# KiCad board RCUP_BASE_PCB_2.kicad_pcb
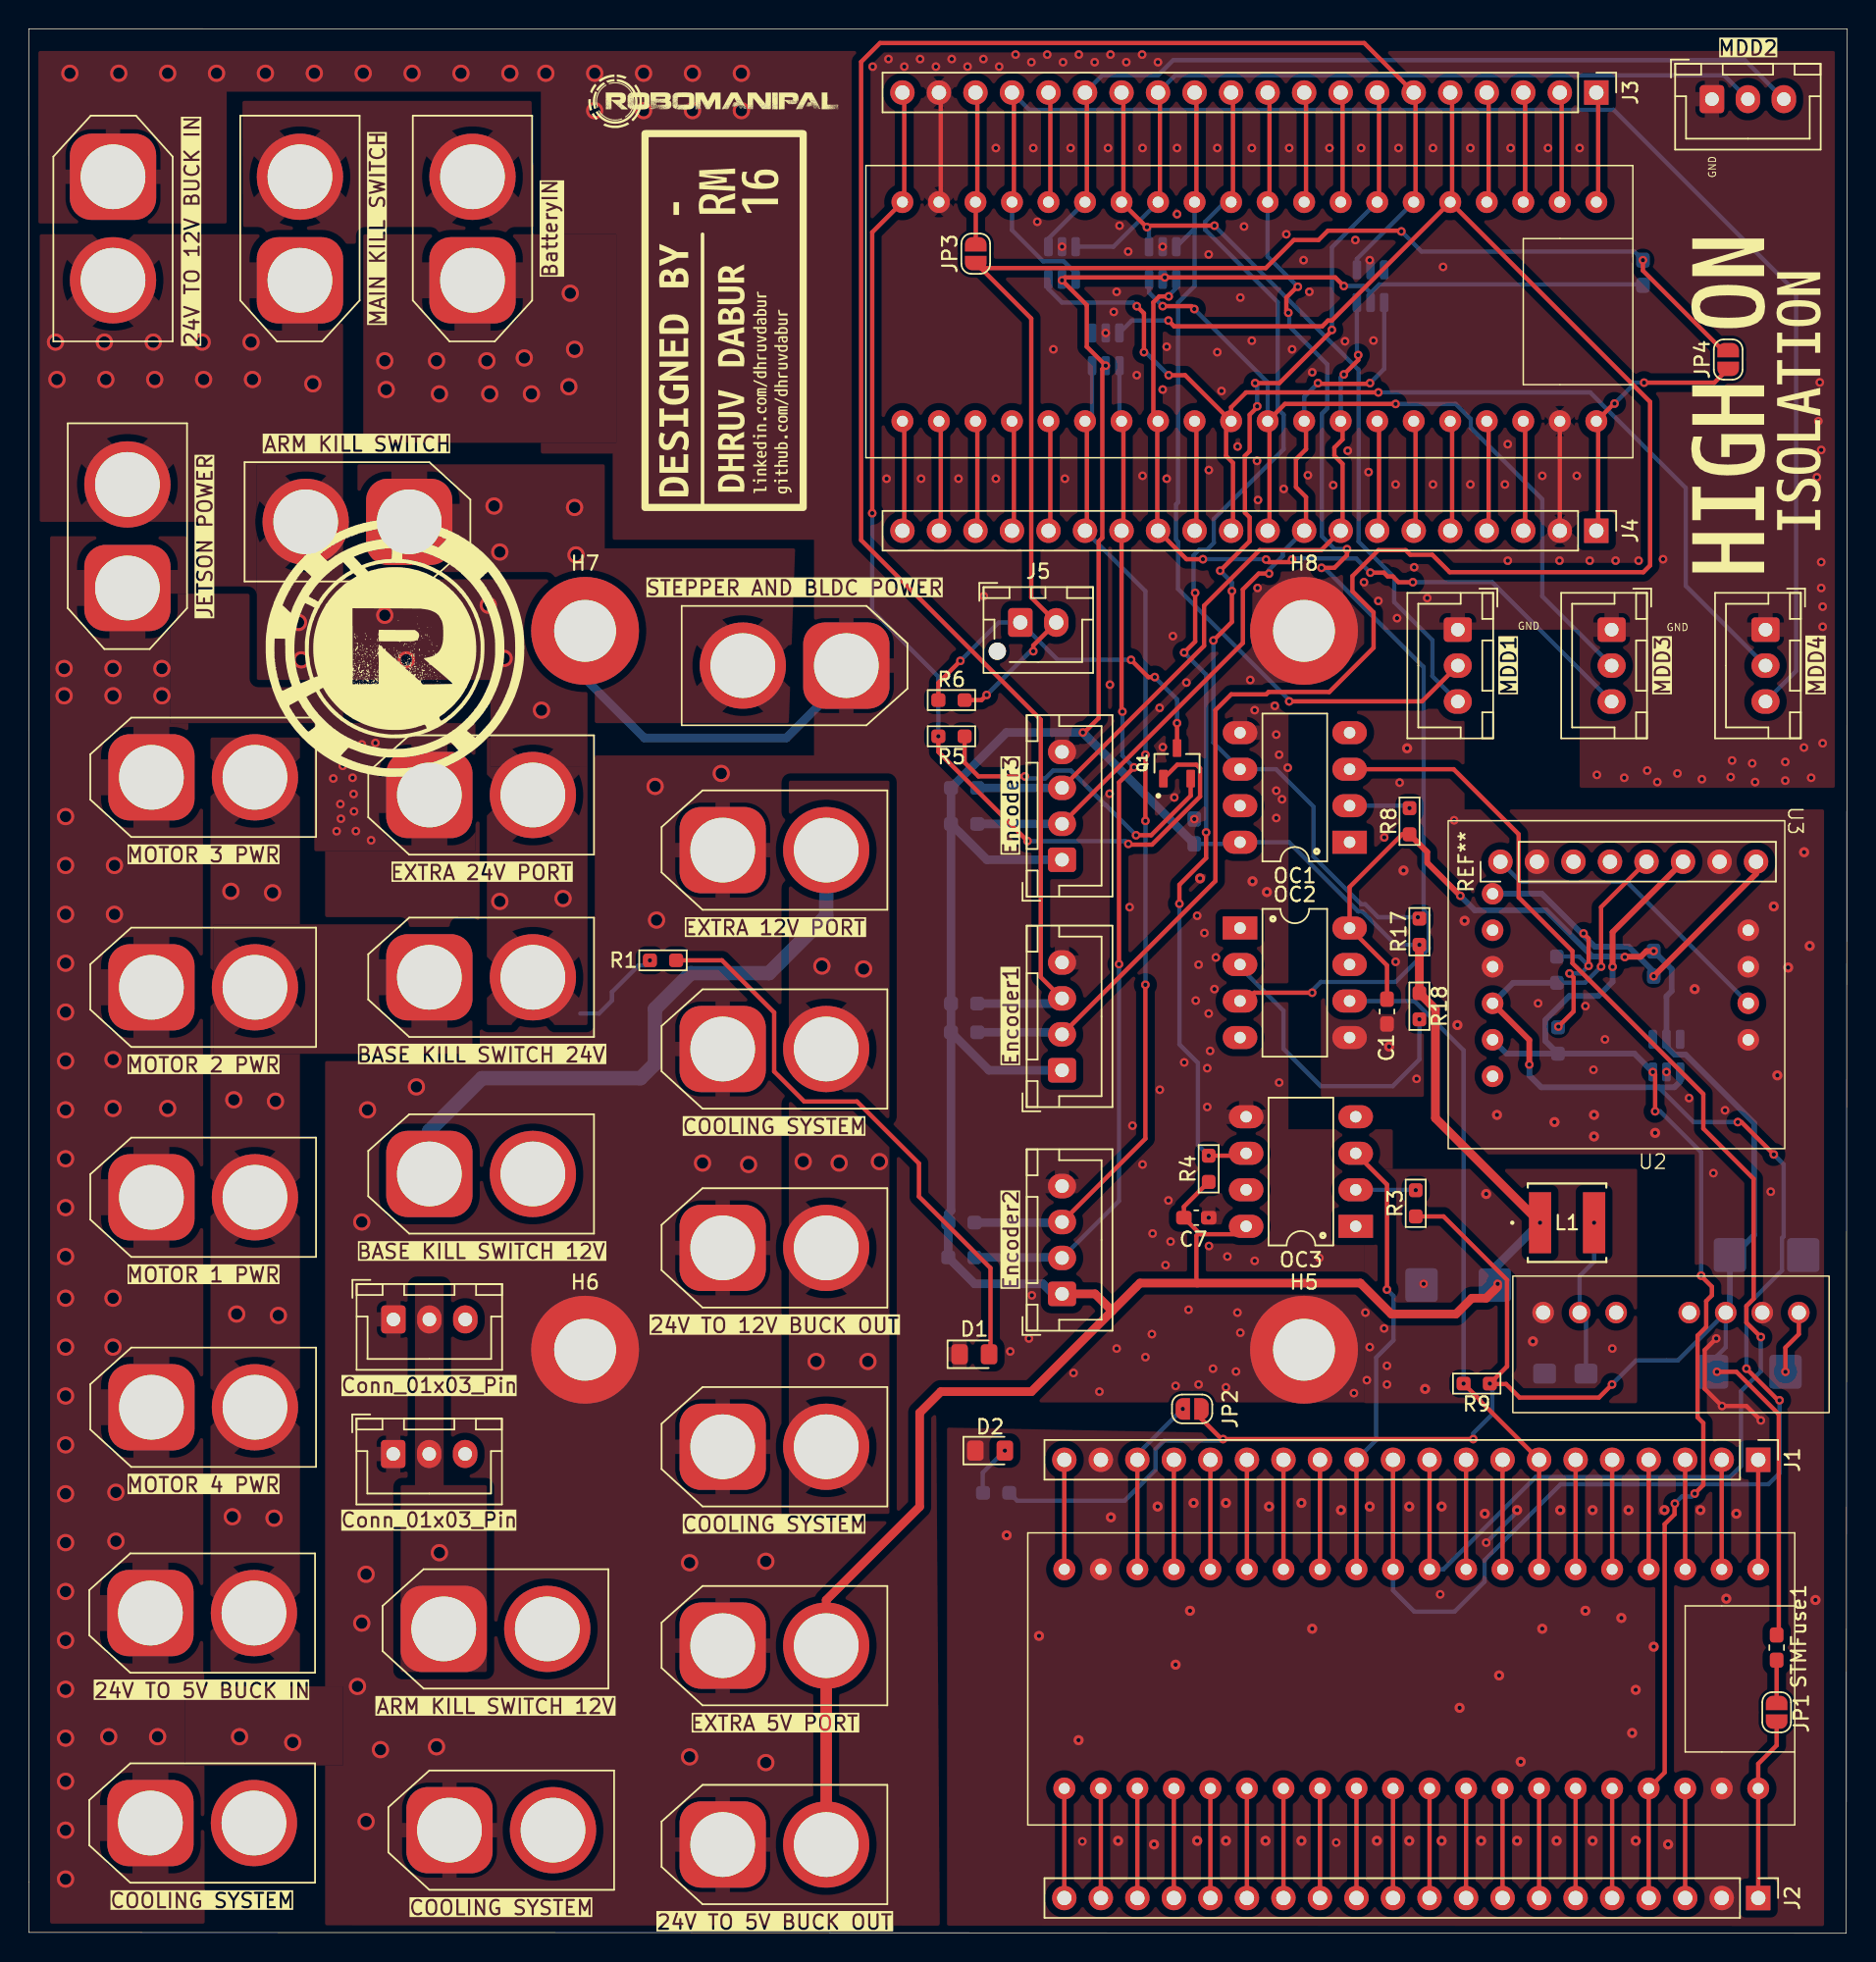
[diagram p0: board, top side]
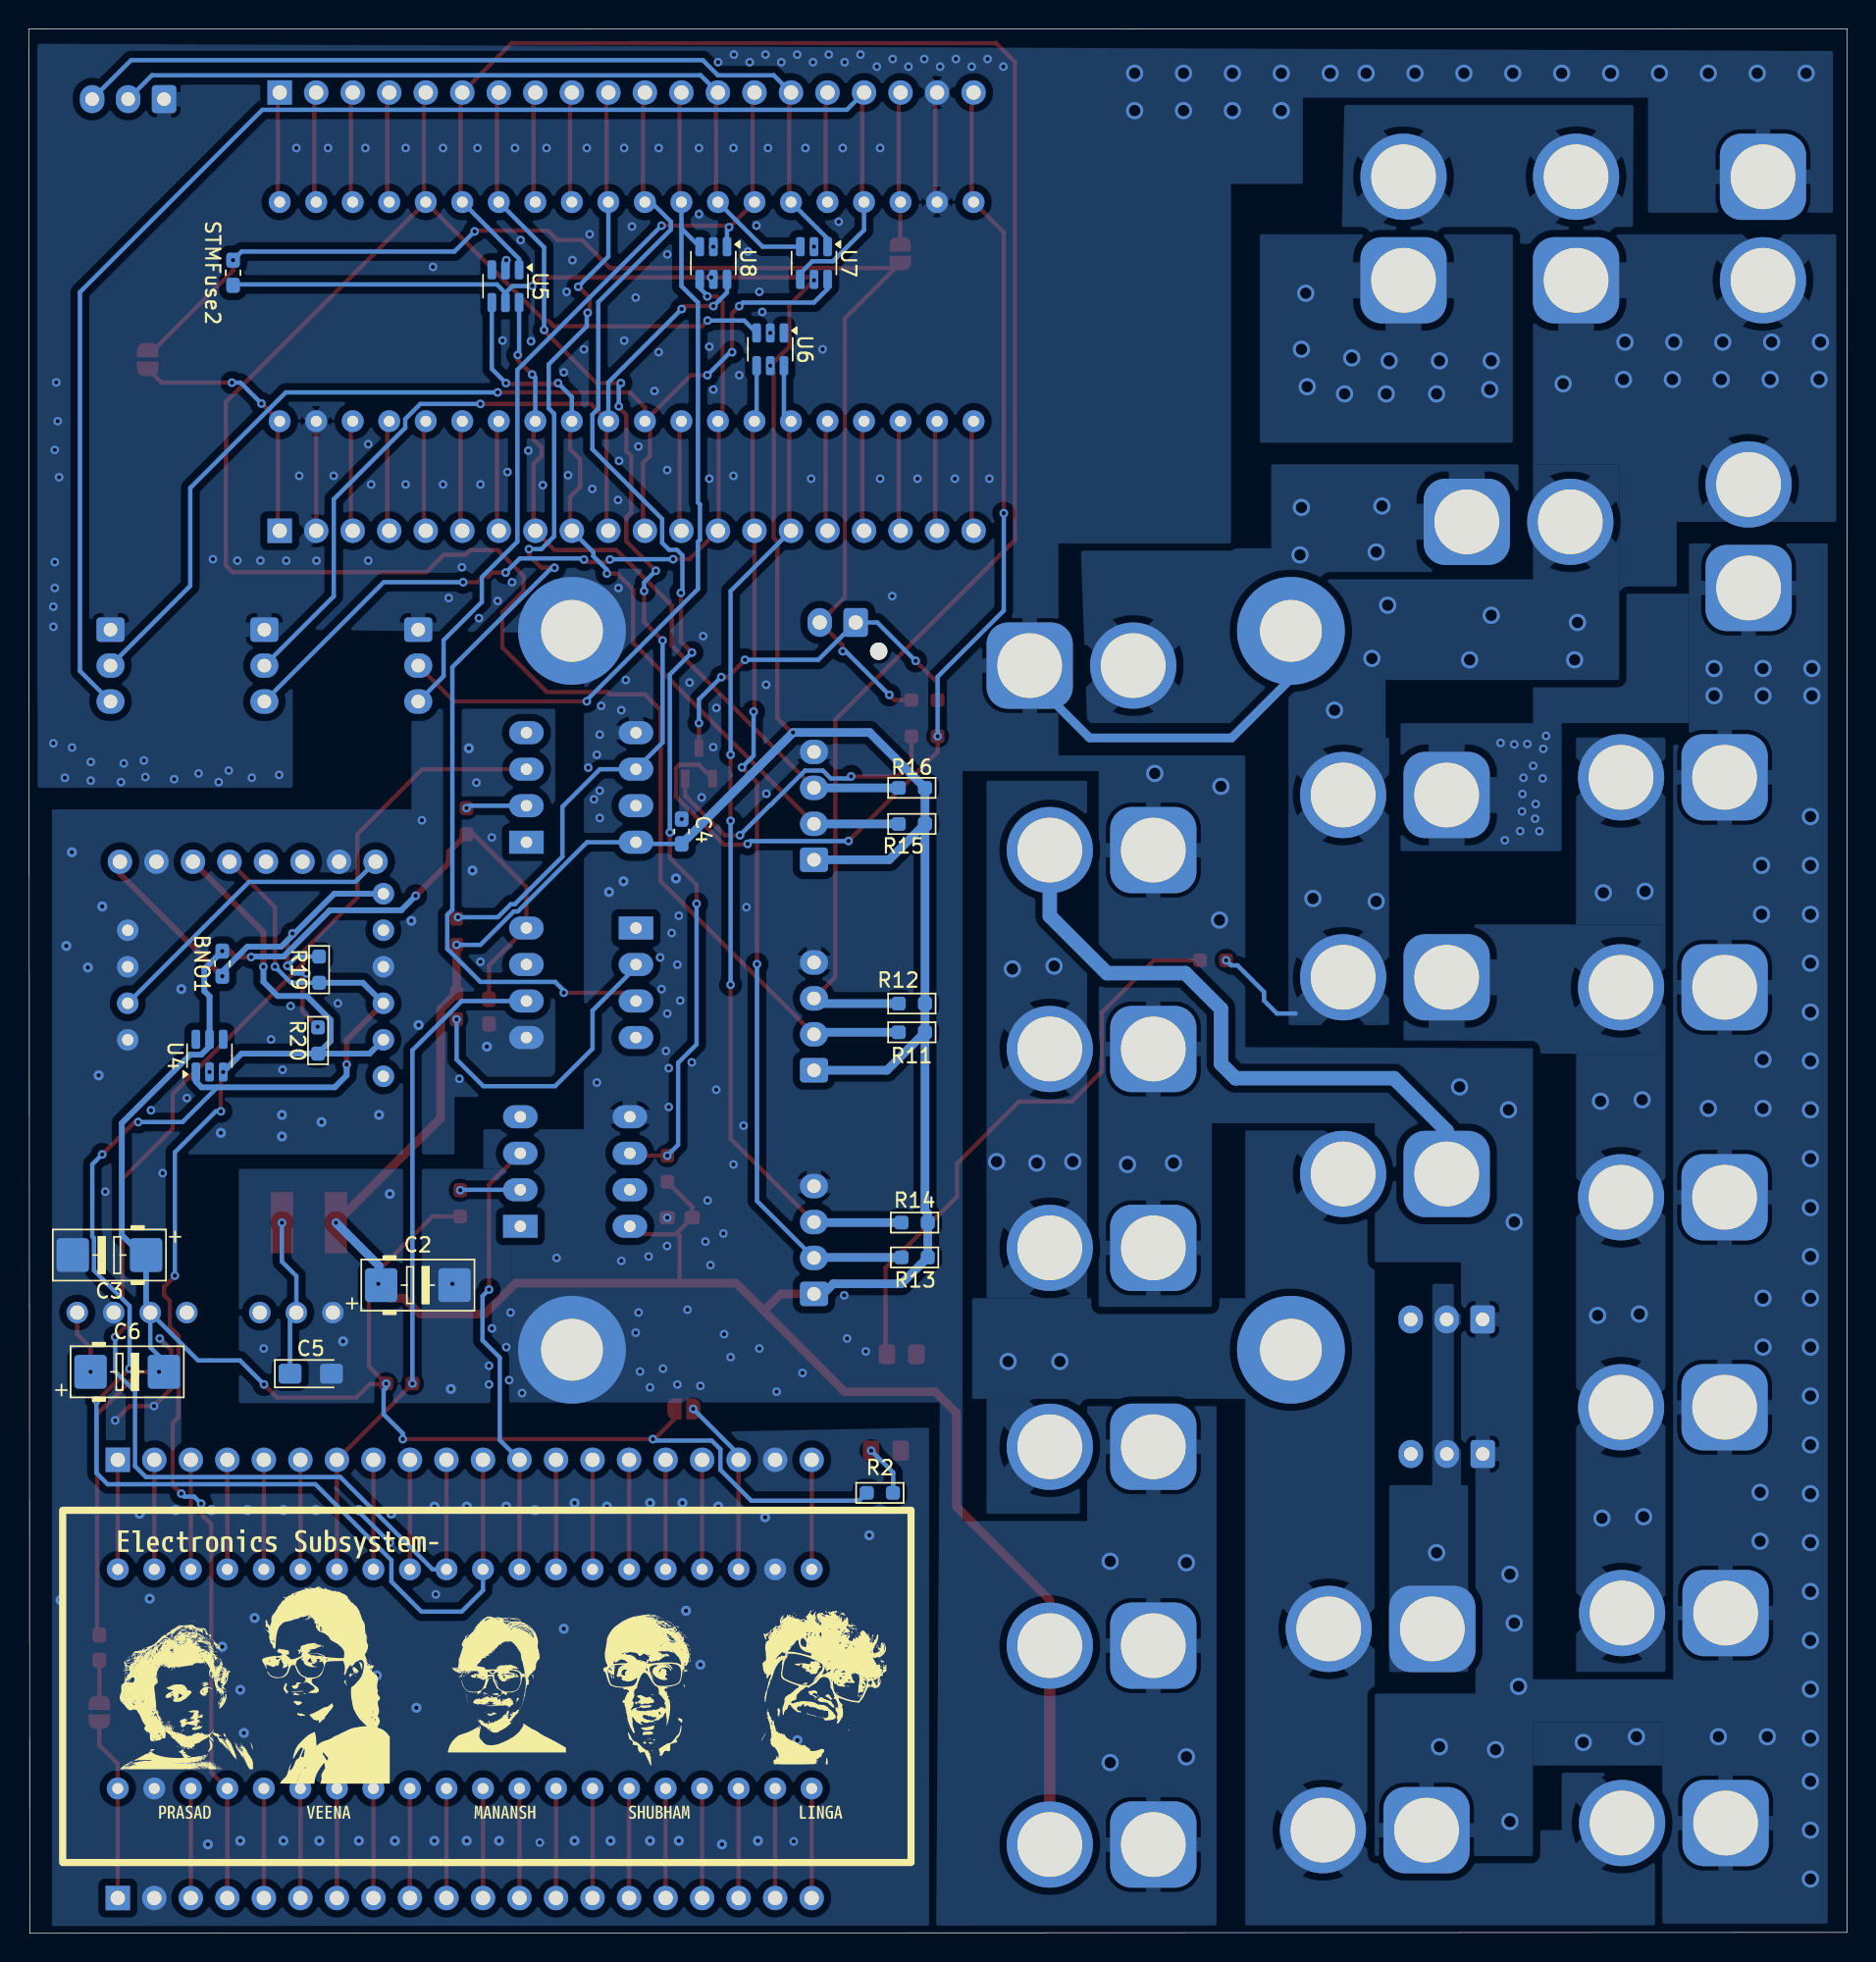
[diagram p1: board, bottom side, seen from below]

Outline 126.47 x 132.47 mm; copper layers: Top, Bottom (plane). Coordinates in mm from the lower left corner of the outline.
Outline path: 0,132.47 0.01,3.57 0.01,0.06 126.4,0 126.47,132.45 0,132.47
Stack: Top 0.035mm / dielectric 1.51mm FR4 er 4.5 / Bottom 0.035mm

## Placement (name value [footprint] x y rotation side)
BNO1  Polyfuse  [Fuse_0603_1608Metric_Pad1.05x0.95mm_HandSolder]  113.01 67.44 90 bottom
C1  0.1µ  [C_0603_1608Metric_Pad1.08x0.95mm_HandSolder]  94.46 64.11 270 top
C2  100µ  [CP_EIA-6032-28_Kemet-C_Pad2.25x2.35mm_HandSolder]  99.41 45.08 180 bottom
C3  100µ  [CP_EIA-6032-28_Kemet-C_Pad2.25x2.35mm_HandSolder]  120.86 47.17 0 bottom
C4  0.1µ  [C_0603_1608Metric_Pad1.08x0.95mm_HandSolder]  81.06 76.63 90 bottom
C5  47µ  [CP_EIA-3216-18_Kemet-A_HandSolder]  106.86 38.92 180 bottom
C6  10µ  [CP_EIA-6032-28_Kemet-C_Pad2.25x2.35mm_HandSolder]  119.62 39.05 180 bottom
C7  0.1µ  [C_0603_1608Metric_Pad1.08x0.95mm_HandSolder]  81.2 49.77 0 top
D1  LED  [D_0805_2012Metric_Pad1.15x1.40mm_HandSolder]  65.76 40.27 0 top
D2  LED  [D_0805_2012Metric_Pad1.15x1.40mm_HandSolder]  66.86 33.57 0 top
Encoder1  Conn_01x04_Pin  [JST_XH_B4B-XH-A_1x04_P2.50mm_Vertical]  71.86 60.02 90 top
Encoder2  Conn_01x04_Pin  [JST_XH_B4B-XH-A_1x04_P2.50mm_Vertical]  71.86 44.47 90 top
Encoder3  Conn_01x04_Pin  [JST_XH_B4B-XH-A_1x04_P2.50mm_Vertical]  71.86 74.67 90 top
G***  LOGO  [rm logo long 2 18x6]  47.61 127.42 0 top
G***#2  -  [LOGO]  25.47 89.43 0 top
G***#3  -  [LOGO]  71.36 18.17 180 bottom
G***#4  -  [LOGO]  94.11 17.67 180 bottom
G***#5  -  [LOGO]  115.88 17.12 180 bottom
G***#6  -  [LOGO]  106.36 18.17 180 bottom
G***#7  -  [LOGO]  83.36 17.17 180 bottom
H5  MountingHole_Pad  [MountingHole_4.3mm_M4_DIN965_Pad_TopBottom]  88.69 40.59 0 top
H6  MountingHole_Pad  [MountingHole_4.3mm_M4_DIN965_Pad_TopBottom]  38.69 40.59 0 top
H7  MountingHole_Pad  [MountingHole_4.3mm_M4_DIN965_Pad_TopBottom]  38.69 90.59 0 top
H8  MountingHole_Pad  [MountingHole_4.3mm_M4_DIN965_Pad_TopBottom]  88.69 90.59 0 top
J1  Conn_01x20_Pin  [PinHeader_1x20_P2.54mm_Vertical]  120.28 32.93 270 top
J2  Conn_01x20_Pin  [PinHeader_1x20_P2.54mm_Vertical]  120.28 2.45 270 top
J3  Conn_01x20_Pin  [PinHeader_1x20_P2.54mm_Vertical]  109.02 128.03 270 top
J4  Conn_01x20_Pin  [PinHeader_1x20_P2.54mm_Vertical]  109.02 97.55 270 top
J5  Conn_01x02  [JST_XH_B2B-XH-AM_1x02_P2.50mm_Vertical]  68.96 91.17 0 top
J6  MOTOR 1 PWR  [xt60]  8.53 51.19 0 top
J7  MOTOR 3 PWR  [xt60]  8.53 80.4 0 top
J8  STEPPER AND BLDC POWER  [xt60]  56.86 88.17 180 top
J9  JETSON POWER  [xt60]  6.86 93.57 90 top
J10  MAIN KILL SWITCH  [xt60]  18.86 114.97 90 top
J11  BatteryIN  [xt60]  30.86 114.97 90 top
J13  MOTOR 2 PWR  [xt60]  8.53 65.79 0 top
J14  MOTOR 4 PWR  [xt60]  8.53 36.58 0 top
J15  24V TO 5V BUCK IN  [xt60]  8.46 22.27 0 top
J16  BASE KILL SWITCH 12V  [xt60]  27.86 52.81 0 top
J17  BASE KILL SWITCH 24V  [xt60]  27.86 66.49 0 top
J18  24V TO 12V BUCK IN  [xt60]  5.86 122.17 270 top
J19  COOLING SYSTEM  [xt60]  48.26 61.5 0 top
J20  COOLING SYSTEM  [xt60]  29.26 7.17 0 top
J21  24V TO 5V BUCK OUT  [xt60]  48.26 6.17 0 top
J22  24V TO 12V BUCK OUT  [xt60]  48.26 47.67 0 top
J23  ARM KILL SWITCH 12V  [xt60]  28.86 21.17 0 top
J24  ARM KILL SWITCH  [xt60]  26.46 98.17 180 top
J25  COOLING SYSTEM  [xt60]  8.46 7.66 0 top
J26  COOLING SYSTEM  [xt60]  48.26 33.84 0 top
J27  EXTRA 12V PORT  [xt60]  48.26 75.34 0 top
J28  EXTRA 5V PORT  [xt60]  48.26 20 0 top
J29  EXTRA 24V PORT  [xt60]  27.86 79.17 0 top
J30  Conn_01x03_Pin  [JST_XH_B3B-XH-A_1x03_P2.50mm_Vertical]  25.35 33.34 0 top
J31  Conn_01x03_Pin  [JST_XH_B3B-XH-A_1x03_P2.50mm_Vertical]  25.36 42.69 0 top
JP1  SolderJumper_2_Open  [SolderJumper-2_P1.3mm_Open_RoundedPad1.0x1.5mm]  121.56 15.37 90 top
JP2  SolderJumper_2_Open  [SolderJumper-2_P1.3mm_Open_RoundedPad1.0x1.5mm]  80.91 36.47 180 top
JP3  SolderJumper_2_Open  [SolderJumper-2_P1.3mm_Open_RoundedPad1.0x1.5mm]  65.86 116.82 90 top
JP4  SolderJumper_2_Open  [SolderJumper-2_P1.3mm_Open_RoundedPad1.0x1.5mm]  118.19 109.46 90 top
kibuzzard-692ABD47  G***  [kibuzzard-692ABD47]  44.86 110.17 90 top
kibuzzard-692ABDC1  G***  [kibuzzard-692ABDC1]  48.86 108.17 90 top
kibuzzard-692ABE21  G***  [kibuzzard-692ABE21]  47.86 121.17 90 top
kibuzzard-692ABE65  G***  [kibuzzard-692ABE65]  50.86 121.17 90 top
kibuzzard-692D34D4  G***  [kibuzzard-692D34D4]  115.61 8.42 180 bottom
kibuzzard-692D34FC  G***  [kibuzzard-692D34FC]  105.61 8.42 180 bottom
kibuzzard-692D35A8  G***  [kibuzzard-692D35A8]  109.12 27.08 180 bottom
kibuzzard-692D3512  G***  [kibuzzard-692D3512]  82.61 8.42 180 bottom
kibuzzard-692D3525  G***  [kibuzzard-692D3525]  71.36 8.42 180 bottom
kibuzzard-692EDD63  G***  [kibuzzard-692EDD63]  50.86 107.17 90 top
kibuzzard-692EDD82  G***  [kibuzzard-692EDD82]  52.45 106.53 90 top
kibuzzard-692EF28F  G***  [kibuzzard-692EF28F]  93.36 8.42 180 bottom
kibuzzard-697CBF62  G***  [kibuzzard-697CBF62]  123.09 106.56 90 top
kibuzzard-69313BBD  G***  [kibuzzard-69313BBD]  118.19 106.26 90 top
L1  4.7µ  [IND_SWPA5040S_SNL-M]  106.99 49.42 0 top
MDD1  Conn_01x03_Pin  [JST_XH_B3B-XH-A_1x03_P2.50mm_Vertical]  99.39 90.67 270 top
MDD2  Conn_01x03_Pin  [JST_XH_B3B-XH-A_1x03_P2.50mm_Vertical]  117.06 127.57 0 top
MDD3  Conn_01x03_Pin  [JST_XH_B3B-XH-A_1x03_P2.50mm_Vertical]  110.09 90.67 270 top
MDD4  Conn_01x03_Pin  [JST_XH_B3B-XH-A_1x03_P2.50mm_Vertical]  120.79 90.67 270 top
MotorController1  STM32F411_BP  [STM32F411-BP]  97.42 17.69 270 top
MotorController2  STM32F411_BP  [STM32F411-BP]  86.16 112.79 270 top
OC1  6N137  [DIP-8_W7.62mm_LongPads]  91.86 75.88 180 top
OC2  6N137  [DIP-8_W7.62mm_LongPads]  84.24 69.92 0 top
OC3  6N137  [DIP-8_W7.62mm_LongPads]  92.29 49.17 180 top
Q1  BSS138  [SOT95P240X111-3N]  79.86 81.37 90 top
R1  1K  [R_0603_1608Metric_Pad0.98x0.95mm_HandSolder]  44.11 67.67 0 top
R2  220  [R_0603_1608Metric_Pad0.98x0.95mm_HandSolder]  67.28 30.63 180 bottom
R3  350  [R_0603_1608Metric_Pad0.98x0.95mm_HandSolder]  96.46 50.77 90 top
R4  350  [R_0603_1608Metric_Pad0.98x0.95mm_HandSolder]  82.06 53.17 90 top
R5  10K  [R_0603_1608Metric_Pad0.98x0.95mm_HandSolder]  64.17 83.25 180 top
R6  10K  [R_0603_1608Metric_Pad0.98x0.95mm_HandSolder]  64.17 85.77 0 top
R8  350  [R_0603_1608Metric_Pad0.98x0.95mm_HandSolder]  96.03 77.35 90 top
R9  350  [R_0603_1608Metric_Pad0.98x0.95mm_HandSolder]  100.7 38.23 180 top
R11  6R8K  [R_0603_1608Metric_Pad0.98x0.95mm_HandSolder]  65.05 62.67 180 bottom
R12  6R8K  [R_0603_1608Metric_Pad0.98x0.95mm_HandSolder]  65.05 64.67 180 bottom
R13  6R8K  [R_0603_1608Metric_Pad0.98x0.95mm_HandSolder]  64.86 49.43 180 bottom
R14  6R8K  [R_0603_1608Metric_Pad0.98x0.95mm_HandSolder]  64.86 47.01 180 bottom
R15  6R8K  [R_0603_1608Metric_Pad0.98x0.95mm_HandSolder]  65.05 77.16 180 bottom
R16  6R8K  [R_0603_1608Metric_Pad0.98x0.95mm_HandSolder]  65.05 79.67 180 bottom
R17  350  [R_0603_1608Metric_Pad0.98x0.95mm_HandSolder]  96.71 69.66 90 top
R18  350  [R_0603_1608Metric_Pad0.98x0.95mm_HandSolder]  96.71 64.48 270 top
R19  4R7K  [R_0603_1608Metric_Pad0.98x0.95mm_HandSolder]  106.28 67.02 90 bottom
R20  4R7K  [R_0603_1608Metric_Pad0.98x0.95mm_HandSolder]  106.35 62.09 90 bottom
REF**  -  [PinHeader_1x08_P2.54mm_Vertical]  102.35 74.53 90 top
STMFuse1  Polyfuse  [Fuse_0603_1608Metric_Pad1.05x0.95mm_HandSolder]  121.56 19.87 90 top
STMFuse2  Polyfuse  [Fuse_0603_1608Metric_Pad1.05x0.95mm_HandSolder]  112.26 115.49 90 bottom
U2  ~  [WRB0505S-3WR3]  102.78 45.71 0 top
U3  BNO055  [7_semi_BNO055]  122.13 77.38 270 top
U4  USBLC6-4SC6  [SOT-23-6]  113.9 61.04 90 bottom
U5  USBLC6-4SC6  [SOT-23-6]  93.32 114.56 270 bottom
U6  USBLC6-4SC6  [SOT-23-6]  74.9 110.17 270 bottom
U7  USBLC6-4SC6  [SOT-23-6]  71.86 116.17 270 bottom
U8  USBLC6-4SC6  [SOT-23-6]  78.86 116.17 270 bottom

## Library data of the parts
BNO1 STMFuse1 STMFuse2 = -: Description: Resettable fuse, polymeric positive temperature coefficient; ki_fp_filters: *polyfuse* *PTC*
C1-C7 = -: Description: Unpolarized capacitor; ki_fp_filters: C_*
D1 D2 = -: Description: Light emitting diode; Sim.Pins: 1=K 2=A; ki_fp_filters: LED* LED_SMD:* LED_THT:*
Encoder1-Encoder3 = -: Description: Generic connector, single row, 01x04, script generated; ki_fp_filters: Connector*:*_1x??_*
H5-H8 = -: Description: Mounting Hole with connection; ki_fp_filters: MountingHole*Pad*
J1-J4 = -: Description: Generic connector, single row, 01x20, script generated; ki_fp_filters: Connector*:*_1x??_*
J5 = -: Description: HEADER 1x2 MALE PINS 0.100” 180deg; Specifications: Pins_01x02, Header, Male Pins, 1*2, spacing 2.54mm, straight pin; Manufacturer: TAD; Part Number: 1-0201FBV0T; ki_fp_filters: Connector*:*_??x*mm* Connector*:*1x??x*mm* Pin?Header?Straight?1X* Pin?Header?Angled?1X* Socket?Strip?Straight?1X* Socket?Strip?Angled?1X*
J6-J11 J13-J29 = -: MF: AMASS; MAXIMUM_PACKAGE_HEIGHT: 16.00 mm; Package: Package; Price: None; Check_prices: https://www.snapeda.com/parts/XT60-M/AMASS/view-part/?ref=eda; STANDARD: IPC 7351B; PARTREV: V1.2; SnapEDA_Link: https://www.snapeda.com/parts/XT60-M/AMASS/view-part/?ref=snap; MP: XT60-M; Description_1: Plug; DC supply; XT60; male; PIN: 2; for cable; soldered; 30A; 500V; Availability: Not in stock; MANUFACTURER: AMASS
J30 J31 MDD1-MDD4 = -: Description: Generic connector, single row, 01x03, script generated; ki_fp_filters: Connector*:*_1x??_*
JP1-JP4 = -: Description: Solder Jumper, 2-pole, open; ki_fp_filters: SolderJumper*Open*
L1 = -: Description: Inductor; ki_fp_filters: Choke_* *Coil* Inductor_* L_*
OC1-OC3 = -: Datasheet: https://www.vishay.com/docs/84732/6n137.pdf; Description: DIP-8 Optocoupler, Open Collector/Drain output, Inverting, additional external input, 5.3kV, 10Mbs, Alternate KiCAD Library; ki_fp_filters: DIP*W7.62mm*
Q1 = -: MF: onsemi; MAXIMUM_PACKAGE_HEIGHT: 1.11 mm; Package: SOT-23-3 ON Semiconductor; Price: None; Check_prices: https://www.snapeda.com/parts/BSS138/Onsemi/view-part/?ref=eda; STANDARD: IPC 7351B; PARTREV: 30 Jan 2018; SnapEDA_Link: https://www.snapeda.com/parts/BSS138/Onsemi/view-part/?ref=snap; Purchase-URL: https://www.snapeda.com/api/url_track_click_mouser/?unipart_id=7326959&manufacturer=onsemi&part_name=BSS138&search_term=None; Description_1: N-Channel 50 V 220mA (Ta) 350mW (Ta) Surface Mount SOT-23-3; Availability: In Stock; MANUFACTURER: ON Semiconductor
R1-R6 R8 R9 R11-R20 = -: Description: Resistor, small US symbol; ki_fp_filters: R_*
U4-U8 = -: Datasheet: https://www.st.com/resource/en/datasheet/usblc6-4.pdf; Description: Very low capacitance ESD protection diode, 4 data-line, SOT-23-6; ki_fp_filters: SOT?23*

## Footprints (pads in the part's own frame, mm; a bottom-side part is the same pattern mirrored in y, then rotated)
7_semi_BNO055
  round 1.5 hole 0.8: 1(5.08,-20.32) 2(7.62,-20.32) 3(10.16,-20.32) 4(12.7,-20.32) 5(15.24,-20.32) 6(17.78,-20.32) 7(7.62,-2.54) 8(10.16,-2.54) 9(12.7,-2.54) 10(15.24,-2.54)
C_0603_1608Metric_Pad1.08x0.95mm_HandSolder
  rrect 1.075x0.95 smd: 1(-0.863,0) 2(0.863,0)
CP_EIA-3216-18_Kemet-A_HandSolder
  rrect 1.59x1.39 smd: 1(-1.44,0) 2(1.44,0)
CP_EIA-6032-28_Kemet-C_Pad2.25x2.35mm_HandSolder
  rrect 2.25x2.35 smd: 1(-2.55,0) 2(2.55,0)
D_0805_2012Metric_Pad1.15x1.40mm_HandSolder
  rrect 1.15x1.4 smd: 1(-1.025,0) 2(1.025,0)
DIP-8_W7.62mm_LongPads
  rect 2.4x1.6 hole 0.8: 1(0,0)
  oval 2.4x1.6 hole 0.8: 2(0,-2.54) 3(0,-5.08) 4(0,-7.62) 5(7.62,-7.62) 6(7.62,-5.08) 7(7.62,-2.54) 8(7.62,0)
Fuse_0603_1608Metric_Pad1.05x0.95mm_HandSolder
  rrect 1.05x0.95 smd: 1(-0.875,0) 2(0.875,0)
IND_SWPA5040S_SNL-M
  rect 1.549x4.242 smd: 1(-1.88,0) 2(1.88,0)
JST_XH_B2B-XH-AM_1x02_P2.50mm_Vertical
  round 1.2 hole 1.2 unplated: (-1.6,-2)
  rrect 1.7x2 hole 1: 1(0,0)
  oval 1.7x2 hole 1: 2(2.5,0)
JST_XH_B3B-XH-A_1x03_P2.50mm_Vertical
  rrect 1.7x1.95 hole 0.95: 1(0,0)
  oval 1.7x1.95 hole 0.95: 2(2.5,0) 3(5,0)
JST_XH_B4B-XH-A_1x04_P2.50mm_Vertical
  rrect 1.7x1.95 hole 0.95: 1(0,0)
  oval 1.7x1.95 hole 0.95: 2(2.5,0) 3(5,0) 4(7.5,0)
MountingHole_4.3mm_M4_DIN965_Pad_TopBottom
  round 4.7 hole 4.3: 1(0,0)
  round 7.5 smd: 1(0,0)
  round 7.5 smd far side: 1(0,0)
PinHeader_1x08_P2.54mm_Vertical
  oval 1.7x1.7 hole 1: 1(0,0)
  round 1.7 hole 1: 2(0,-2.54) 3(0,-5.08) 4(0,-7.62) 5(0,-10.16) 6(0,-12.7) 7(0,-15.24) 8(0,-17.78)
PinHeader_1x20_P2.54mm_Vertical
  rect 1.7x1.7 hole 1: 1(0,0)
  round 1.7 hole 1: 2(0,-2.54) 3(0,-5.08) 4(0,-7.62) 5(0,-10.16) 6(0,-12.7) 7(0,-15.24) 8(0,-17.78) 9(0,-20.32) 10(0,-22.86) 11(0,-25.4) 12(0,-27.94) 13(0,-30.48) 14(0,-33.02) 15(0,-35.56) 16(0,-38.1) 17(0,-40.64) 18(0,-43.18) 19(0,-45.72) 20(0,-48.26)
R_0603_1608Metric_Pad0.98x0.95mm_HandSolder
  rrect 0.975x0.95 smd: 1(-0.912,0) 2(0.912,0)
SolderJumper-2_P1.3mm_Open_RoundedPad1.0x1.5mm
  custom 1x1.5 smd: 1(-0.65,0) 2(0.65,0)
SOT95P240X111-3N
  rrect 1.23x0.6 smd: 1(-1.06,0.95) 2(-1.06,-0.95) 3(1.06,0)
SOT-23-6
  rrect 1.325x0.6 smd: 1(-1.137,0.95) 2(-1.137,0) 3(-1.137,-0.95) 4(1.137,-0.95) 5(1.137,0) 6(1.137,0.95)
STM32F411-BP
  round 1.524 hole 0.762: 1(7.62,22.86) 2(7.62,20.32) 3(7.62,17.78) 4(7.62,15.24) 5(7.62,12.7) 6(7.62,10.16) 7(7.62,7.62) 8(7.62,5.08) 9(7.62,2.54) 10(7.62,0) 11(7.62,-2.54) 12(7.62,-5.08) 13(7.62,-7.62) 14(7.62,-10.16) 15(7.62,-12.7) 16(7.62,-15.24) 17(7.62,-17.78) 18(7.62,-20.32) 19(7.62,-22.86) 20(7.62,-25.4) 21(-7.62,22.86) 22(-7.62,20.32) 23(-7.62,17.78) 24(-7.62,15.24) 25(-7.62,12.7) 26(-7.62,10.16) 27(-7.62,7.62) 28(-7.62,5.08) 29(-7.62,2.54) 30(-7.62,0) 31(-7.62,-2.54) 32(-7.62,-5.08) 33(-7.62,-7.62) 34(-7.62,-10.16) 35(-7.62,-12.7) 36(-7.62,-15.24) 37(-7.62,-17.78) 38(-7.62,-20.32) 39(-7.62,-22.86) 40(-7.62,-25.4)
WRB0505S-3WR3
  round 1.5 hole 1: 1(2.54,-2.54) 2(5.08,-2.54) 3(7.62,-2.54) 4(12.7,-2.54) 5(15.24,-2.54) 6(17.78,-2.54) 7(20.32,-2.54)
xt60
  rrect 6x6 hole 4.5: N(0,0)
  round 6 hole 4.5: P(7.2,0)
